# Altium PCB RK_NVR_DEMO1_RK3588_LP4XD200P232SD8_V21_20211228_final_lint.PcbDoc (part 23 of 29)
Units mm, origin at the board's own origin, x right, y up, seen from the top; angles counter-clockwise.
Board outline 170.08 x 169.98 mm, 8 copper layers (TOP, L2-GND1, L3-POWER1, L4-S1, L5-GND2, L6-S2, L7-GND3, BOTTOM), stack 2.118 mm thick; 1650 components, 1119 nets, 6165 pads, 15417 vias.
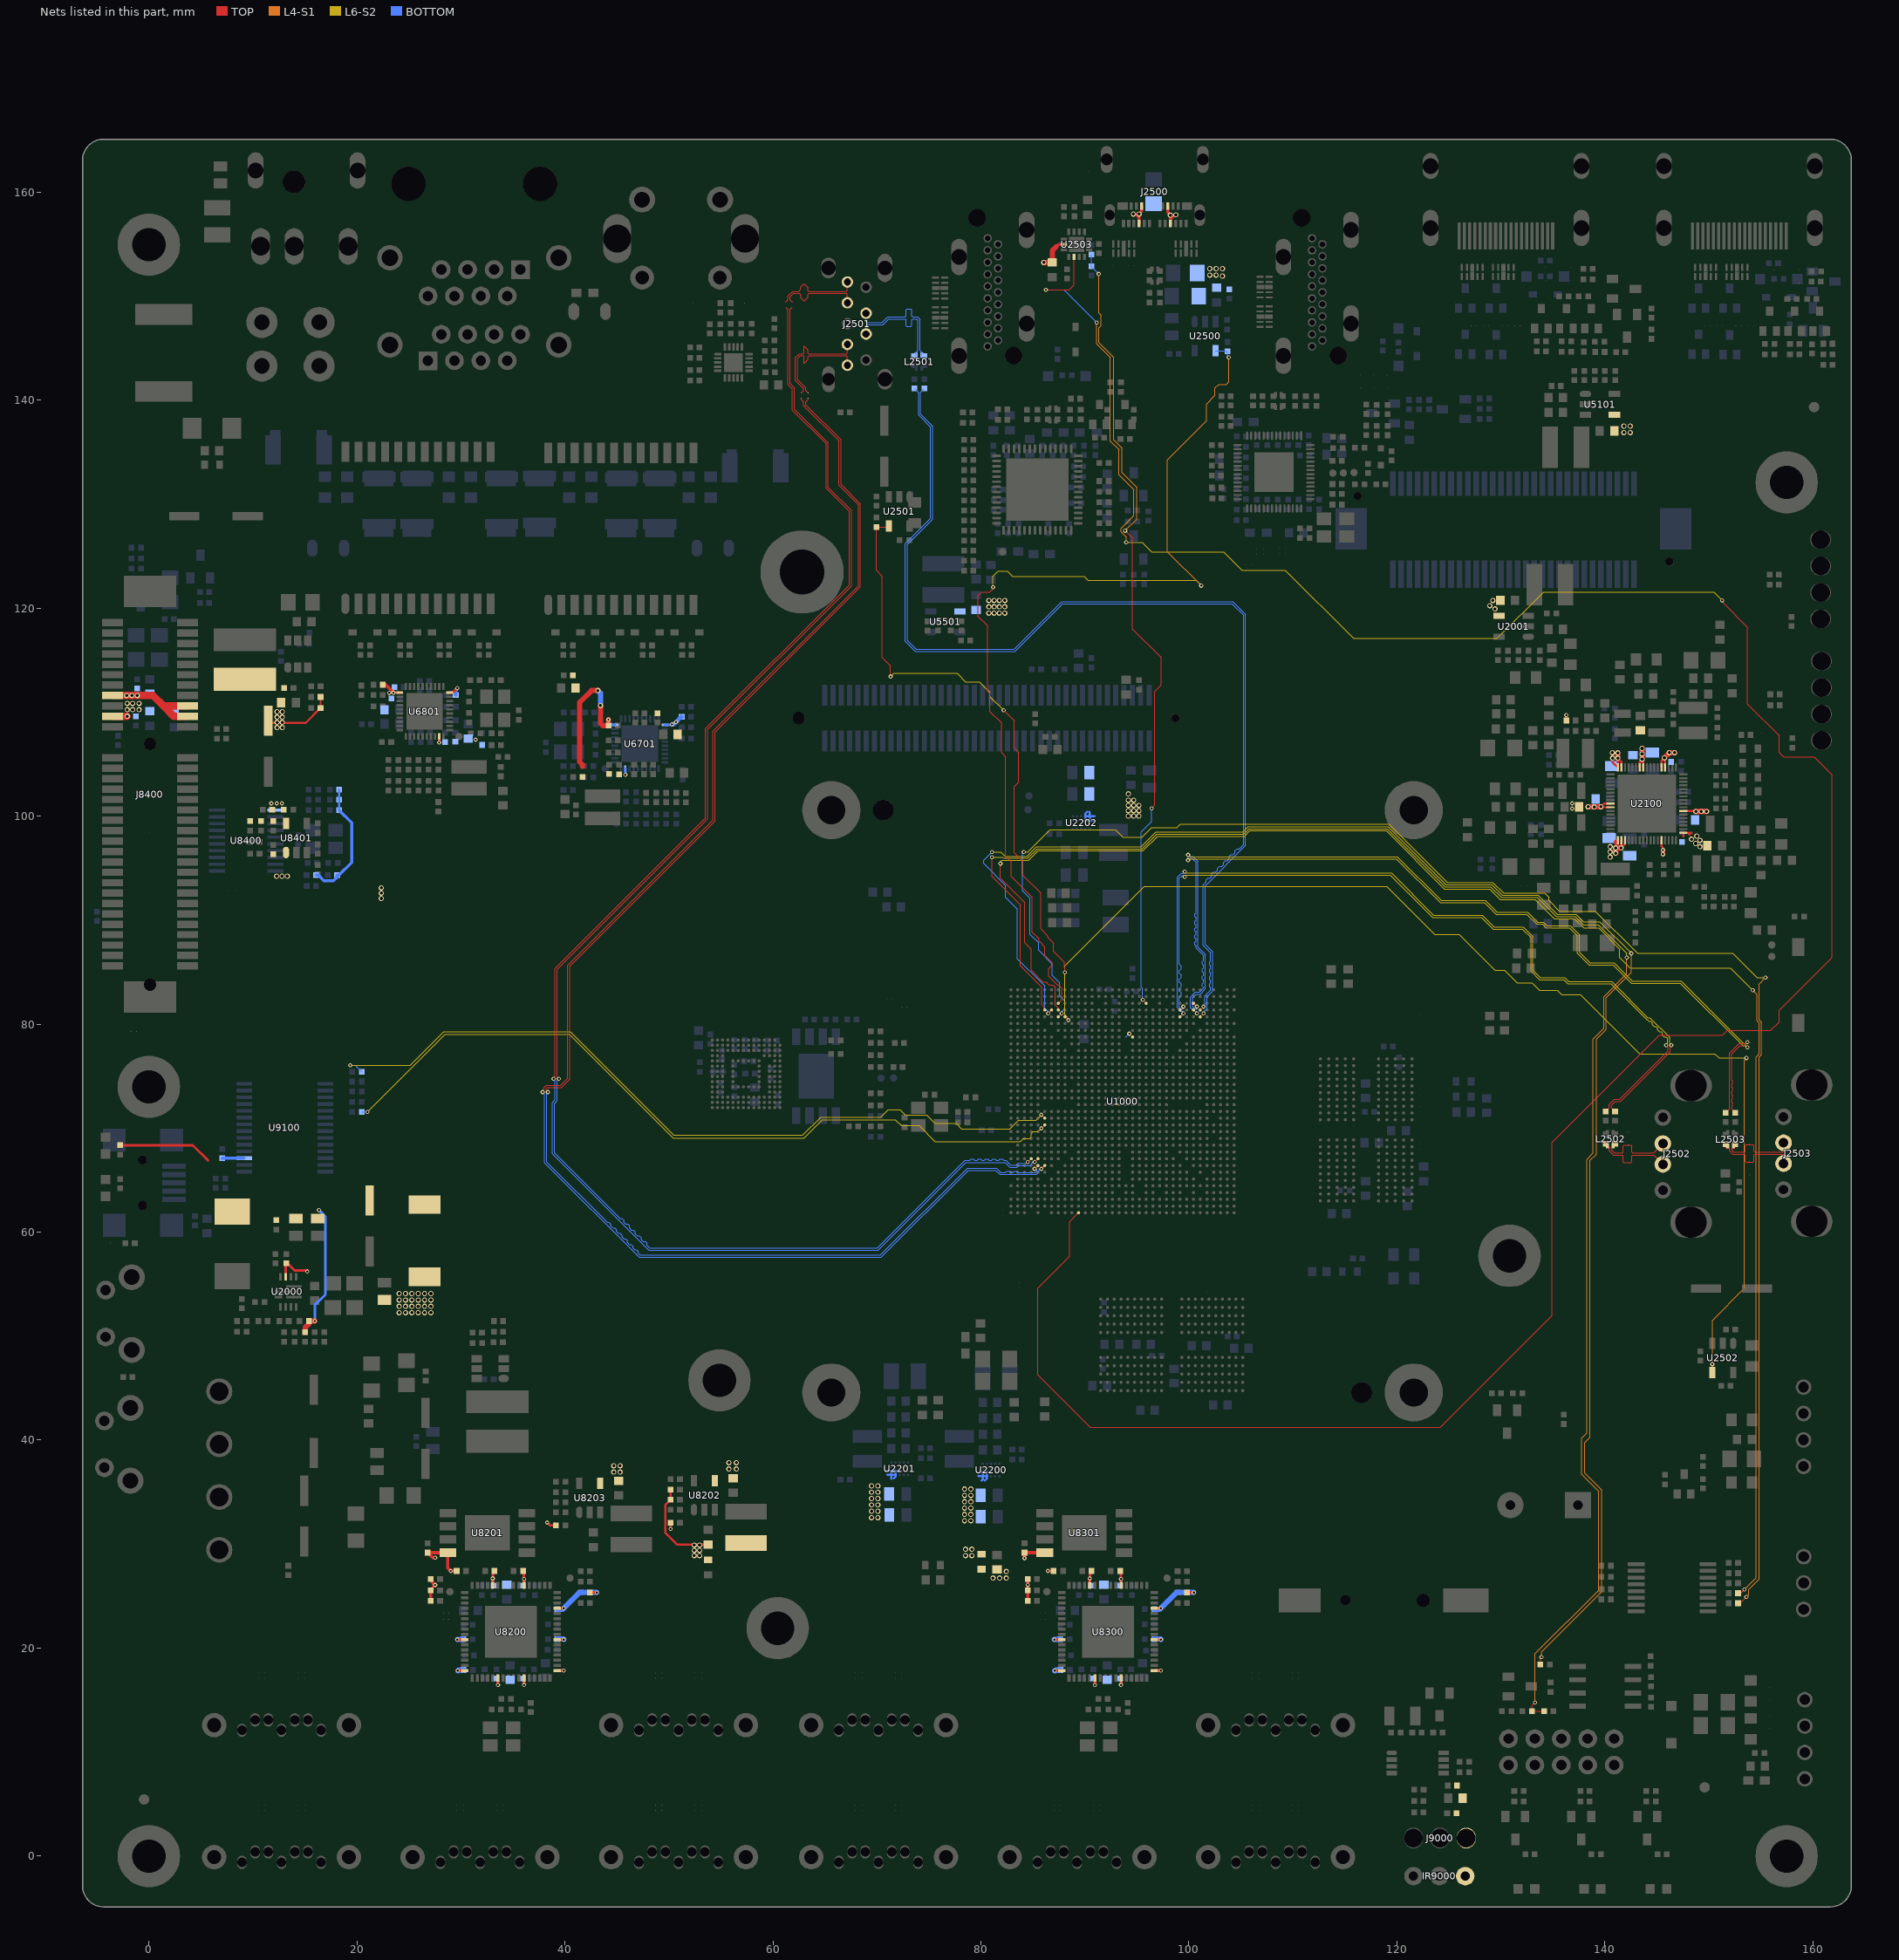
[diagram p29: the nets of this part, all layers, seen from the top]

## Via types
v1: diameter 0.4, hole 0.2, TOP to BOTTOM, 1688 vias
v2: diameter 0.4/0.4 (per signal layer), hole 0.2, TOP to L2-GND1, 1605 vias
v3: diameter 0/0/0/0/0/0/0/0.4 (per signal layer), hole 0.2, TOP to BOTTOM, 1253 vias
v4: diameter 0.4/0/0/0/0/0/0/0 (per signal layer), hole 0.2, TOP to BOTTOM, 1253 vias
v5: diameter 0.5, hole 0.3, TOP to BOTTOM, 857 vias
v6: diameter 0.4/0.4/0.4/0.4/0.4 (per signal layer), hole 0.2, L4-S1 to BOTTOM, 836 vias
v7: diameter 0/0/0/0/0/0/0/0.5 (per signal layer), hole 0.3, TOP to BOTTOM, 772 vias
v8: diameter 0.5/0/0/0/0/0/0/0 (per signal layer), hole 0.3, TOP to BOTTOM, 772 vias
v9: diameter 0.5/0.5 (per signal layer), hole 0.3, TOP to L2-GND1, 766 vias
v10: diameter 0.4/0.4 (per signal layer), hole 0.2, L7-GND3 to BOTTOM, 611 vias
v11: diameter 0.4/0.4/0.4/0.4 (per signal layer), hole 0.2, L5-GND2 to BOTTOM, 579 vias
v12: diameter 0.4 (per signal layer), hole 0.2, L6-S2 to L6-S2, 535 vias
v13: diameter 0.5/0.5/0.5/0.5/0.5 (per signal layer), hole 0.3, L4-S1 to BOTTOM, 457 vias
v14: diameter 0.5/0.5/0.5/0.5 (per signal layer), hole 0.3, L5-GND2 to BOTTOM, 455 vias
v15: diameter 0.4 (per signal layer), hole 0.2, L5-GND2 to L5-GND2, 418 vias
v16: diameter 0.5/0.5/0.5 (per signal layer), hole 0.3, TOP to L3-POWER1, 306 vias
v17: diameter 0.4 (per signal layer), hole 0.2, L4-S1 to L4-S1, 300 vias
v18: diameter 0.4/0.4/0.4 (per signal layer), hole 0.2, TOP to L3-POWER1, 287 vias
v19: diameter 0.5 (per signal layer), hole 0.3, L3-POWER1 to L3-POWER1, 242 vias
v20: diameter 0.5 (per signal layer), hole 0.3, L4-S1 to L4-S1, 240 vias
v21: diameter 0.5/0.5 (per signal layer), hole 0.3, L7-GND3 to BOTTOM, 192 vias
v22: diameter 0.5 (per signal layer), hole 0.3, L6-S2 to L6-S2, 166 vias
v23: diameter 0.4/0.4/0.4/0.4/0.4 (per signal layer), hole 0.2, TOP to L5-GND2, 134 vias
v24: diameter 0.5 (per signal layer), hole 0.3, L5-GND2 to L5-GND2, 114 vias
v25: diameter 0.5/0.5 (per signal layer), hole 0.3, L3-POWER1 to L4-S1, 111 vias
v26: diameter 0.4 (per signal layer), hole 0.2, L3-POWER1 to L3-POWER1, 93 vias
v27: diameter 0.4/0.4 (per signal layer), hole 0.2, L4-S1 to L5-GND2, 59 vias
v28: diameter 0.4/0.4/0/0/0.4/0/0.4/0.4 (per signal layer), hole 0.2, TOP to BOTTOM, 56 vias
v29: diameter 0.4/0/0/0.4/0/0/0/0.4 (per signal layer), hole 0.2, TOP to BOTTOM, 51 vias
v30: diameter 0.5/0.5 (per signal layer), hole 0.3, L4-S1 to L5-GND2, 46 vias
v31: diameter 0.4/0/0/0/0/0.4/0/0.4 (per signal layer), hole 0.2, TOP to BOTTOM, 42 vias
v32: diameter 0.5/0.5/0.5/0.5/0.5 (per signal layer), hole 0.3, TOP to L5-GND2, 32 vias
v33: diameter 0.4/0.4 (per signal layer), hole 0.2, L3-POWER1 to L4-S1, 29 vias
v34: diameter 0.4/0/0.4/0/0/0/0/0.4 (per signal layer), hole 0.2, TOP to BOTTOM, 29 vias
v35: diameter 0.4/0.4/0/0/0.4/0.4/0.4/0.4 (per signal layer), hole 0.2, TOP to BOTTOM, 21 vias
v36: diameter 0.5/0.5/0.5/0/0.5/0.5/0.5/0.5 (per signal layer), hole 0.3, TOP to BOTTOM, 4 vias
v37: diameter 0.5/0.5/0/0.5/0.5/0.5/0.5/0.5 (per signal layer), hole 0.3, TOP to BOTTOM, 3 vias
v38: diameter 0.4/0/0.4/0.4/0/0/0/0.4 (per signal layer), hole 0.2, TOP to BOTTOM, 2 vias
v39: diameter 0.4/0.4/0.4/0/0.4/0/0.4/0.4 (per signal layer), hole 0.2, TOP to BOTTOM, 1 vias

## Nets (pads, with @x,y where several pads share a name; then routed paths per layer and width w, separated by ;. In a path a pad name is that pad's centre, name@x,y a point inside that pad or via, vN(x,y) a via of type N, cw(c..) or ccw(c..) an arc to the next point about the centre after c; other vN are vias at no path point) (continued)
TYPEC0_USB20_VBUSDET: R2500.1 R2501.1 U1000.AM14 | length 76.9
  TOP w0.102: v4(93.87,127.445) 94.581,126.734 94.581,117.996 97.324,115.253 97.324,112.611 96.715,112.002 96.715,101.029 96.435,100.749 v4(96.41,100.749) ; v4(95.566,82.331) U1000.AM14@95.891,82.006
  L4-S1 w0.102: v4(91.33,152.134) 91.33,148.374 91.533,148.171 91.533,147.155 91.33,146.952 91.33,145.53 92.752,144.107 92.752,136.182 93.565,135.37 93.565,133.033 94.987,131.61 94.987,128.562 v4(93.87,127.445)
  BOTTOM w0.102: R2500.1@90.619,154.02 R2501.1@90.619,152.888 90.619,152.845 v4(91.33,152.134) ; v4(95.566,82.331) 95.521,82.377 95.521,83.427 95.394,83.554 95.394,98.489 96.41,99.505 v4(96.41,100.749)
  other v3: 95.566,82.331 96.41,100.749 93.87,127.445 91.33,152.134
  other v17: 93.87,127.445 91.33,152.134
TYPEC1_REXT: R1405.1 U1000.AG16 | length 1
  TOP w0.102: v4(94.265,79.081) U1000.AG16@94.591,78.756
  BOTTOM w0.089: R1405.1@93.866,78.778 93.963,78.778 v4(94.265,79.081)
  other v3: 94.265,79.081
TYPEC1_USB20_HOST_DM: D2512.1 J2502.2 L2502.3 R2525.2 | length 7.5
  TOP w0.084: L2502.3@140.243,68.323 140.417,68.15 140.417,67.82 140.823,67.413 141.687,67.413 141.771,67.33 141.771,66.762 141.855,66.678 D2512.1@142.212,66.678 142.526,66.678 142.61,66.762 142.61,67.33 142.694,67.413 144.674,67.413 J2502.2@145.572,66.515
TYPEC1_USB20_HOST_DP: D2513.1 J2502.3 L2502.1 R2522.2 | length 7.2
  TOP w0.084: L2502.1@140.793,68.323 140.62,68.15 140.62,67.904 140.907,67.617 141.687,67.617 141.771,67.7 141.771,68.268 141.855,68.352 D2513.1@142.212,68.352 142.526,68.352 142.61,68.268 142.61,67.7 142.694,67.617 144.674,67.617 J2502.3@145.572,68.515
TYPEC1_USB20_OTG_DM: R2524.1 U1000.AL9 | length 80
  TOP w0.084: R2524.1@140.061,71.611 140.417,71.967 140.417,72.29 140.911,72.784 141.436,72.784 146.092,77.44 146.092,77.762 v4(145.889,77.966)
  TOP w0.102: U1000.AL9@99.141,81.356 v4(99.465,81.681)
  L6-S2 w0.076: v4(99.594,94.159) 99.594,94.225 99.685,94.316 119.379,94.316 123.435,90.259 128.126,90.259 129.244,89.142 132.071,89.142 132.884,88.329 132.884,85.095 133.714,84.265 136.051,84.265 136.432,83.884 140.56,83.884 144.014,80.429 144.069,80.429 144.231,80.267 144.4,80.267 144.562,80.106 144.562,79.937 144.723,79.775 144.892,79.775 145.054,79.614 145.054,79.444 145.215,79.283 145.385,79.283 145.546,79.121 145.546,78.952 145.708,78.791 145.877,78.791 146.038,78.629 146.038,78.115 v4(145.889,77.966)
  BOTTOM w0.084: v4(99.465,81.681) 99.465,81.541 99.382,81.457 99.263,81.457 99.077,81.643 99.077,82.574 99.255,82.752 99.255,83.003 99.077,83.181 99.077,83.432 99.255,83.61 99.255,83.862 99.077,84.039 99.077,84.291 99.255,84.469 99.255,84.72 99.077,84.898 99.077,85.149 99.255,85.327 99.255,85.579 99.077,85.756 99.077,94.036 99.337,94.297 99.456,94.297 v4(99.594,94.159)
  other v3: 145.889,77.966 99.465,81.681 99.594,94.159
  other v12: 145.889,77.966 99.594,94.159
TYPEC1_USB20_OTG_DP: R2523.1 U1000.AK9 | length 80
  TOP w0.084: R2523.1@140.976,71.611 140.62,71.967 140.62,72.206 140.995,72.581 141.521,72.581 146.295,77.355 146.295,77.87 v4(146.391,77.966)
  TOP w0.102: U1000.AK9@99.141,80.706 v4(99.465,81.031)
  L6-S2 w0.076: v4(99.594,94.661) 99.594,94.61 99.678,94.526 118.754,94.526 118.762,94.519 119.463,94.519 123.52,90.462 128.211,90.462 129.328,89.345 132.156,89.345 133.087,88.413 133.087,85.179 133.799,84.468 136.135,84.468 136.516,84.087 140.644,84.087 144.101,80.63 144.325,80.63 146.242,78.713 146.242,78.115 v4(146.391,77.966)
  BOTTOM w0.084: v4(99.465,81.031) 99.465,81.17 99.382,81.254 99.179,81.254 98.874,81.559 98.874,94.121 99.253,94.5 99.433,94.5 v4(99.594,94.661)
  other v3: 146.391,77.966 99.465,81.031 99.594,94.661
  other v12: 146.391,77.966 99.594,94.661
UART0_RX_M2: R9502.1 U1000.AL28 | length 160.1
  TOP w0.102: v4(86.466,81.031) U1000.AL28@86.791,81.356 ; R9502.1@133.795,18.421 133.795,19.034 v4(133.9,19.139)
  L4-S1 w0.102: v4(133.9,19.139) 133.9,19.647 139.691,25.438 139.691,35.192 138.066,36.818 138.066,39.764 138.574,40.272 138.574,66.891 139.183,67.501 139.183,78.575 140.098,79.49 140.098,82.538 142.536,84.976 v4(142.536,86.805)
  L6-S2 w0.102: v4(81.068,96.558) 81.906,96.558 82.313,96.152 84.421,96.152 85.335,97.066 95.428,97.066 96.851,98.489 105.182,98.489 105.69,98.997 119.134,98.997 124.722,93.409 129.125,93.409 130.141,92.393 133.595,92.393 135.439,90.549 137.233,90.549 137.93,89.853 139.488,89.853 v4(142.536,86.805)
  BOTTOM w0.089: 85.722,84.081 86.141,83.662 86.141,81.546 86.466,81.222 v4(86.466,81.031)
  BOTTOM w0.102: v4(81.068,96.558) 80.255,95.746 80.255,95.441 82.389,93.307 82.389,92.19 83.507,91.072 83.507,86.297 85.722,84.081
  other v3: 133.9,19.139 86.466,81.031 142.536,86.805 81.068,96.558
  other v12: 142.536,86.805 81.068,96.558
  other v17: 133.9,19.139 142.536,86.805
UART0_TX_M2: R9507.1 R9509.1 U1000.AL29 | length 163.2
  TOP w0.102: v4(81.068,96.05) 81.068,94.222 83.811,91.478 83.811,85.586 85.838,83.559 85.838,81.857 86.115,81.58 86.115,81.381 U1000.AL29@86.141,81.356 ; v4(133.291,14.77) 132.984,14.464 R9509.1@132.984,13.921 R9507.1@134.151,13.921
  L4-S1 w0.102: v4(133.291,14.77) 133.291,19.469 139.387,25.565 139.387,35.065 137.761,36.691 137.761,40.17 138.269,40.678 138.269,66.993 138.879,67.602 138.879,78.575 139.895,79.591 139.895,82.639 142.1,84.845 v4(142.1,86.398)
  L6-S2 w0.102: v4(81.068,96.05) 82.084,96.05 82.186,95.949 84.505,95.949 85.42,96.863 95.513,96.863 96.935,98.286 105.266,98.286 105.774,98.794 119.049,98.794 124.637,93.206 129.023,93.206 130.039,92.19 133.494,92.19 135.337,90.346 137.149,90.346 137.947,89.548 139.369,89.548 142.1,86.817 v4(142.1,86.398)
  other v3: 133.291,14.77 142.1,86.398 81.068,96.05
  other v12: 142.1,86.398 81.068,96.05
  other v17: 133.291,14.77 142.1,86.398
UART2_RX_M0_DEBUG: R9100.1 U1000.R29 | length 76.1
  TOP w0.102: v4(85.815,71.281) U1000.R29@86.141,70.956
  L6-S2 w0.089: 82.09,69.939 82.782,69.939 83.608,70.766 85.301,70.766 v4(85.815,71.281)
  L6-S2 w0.102: v4(19.355,76.035) 25.116,76.035 28.367,79.286 40.515,79.286 50.471,69.33 62.882,69.33 64.609,71.057 70.375,71.057 71.086,71.768 72.229,71.768 72.737,71.26 74.769,71.26 75.582,70.447 77.614,70.447 78.122,69.939 82.09,69.939
  BOTTOM w0.102: v4(19.355,76.035) 19.847,76.035 R9100.1@20.457,75.426
  other v3: 85.815,71.281 19.355,76.035
  other v12: 85.815,71.281 19.355,76.035
UART2_TX_M0_DEBUG: R9101.1 U1000.P29 | length 75.4
  TOP w0.102: v4(85.816,69.981) U1000.P29@86.141,70.306
  L6-S2 w0.089: 82.09,68.72 83.811,68.72 84.098,69.006 84.707,69.006 84.84,69.14 84.84,69.47 85.026,69.656 85.49,69.656 v4(85.816,69.981)
  L6-S2 w0.102: v4(21.023,71.565) 28.477,79.02 40.414,79.02 50.409,69.025 62.983,69.025 64.758,70.8 71.775,70.8 72.331,70.244 74.058,70.244 75.582,68.72 82.09,68.72
  BOTTOM w0.102: R9101.1@20.454,71.565 v4(21.023,71.565)
  other v3: 85.816,69.981 21.023,71.565
  other v12: 85.816,69.981 21.023,71.565
UART3_RX_M2: R9513.2 U1000.AL27 | length 156.6
  TOP w0.102: v4(81.881,95.441) 81.881,94.018 84.218,91.682 84.218,87.821 84.827,87.211 84.827,85.179 85.945,84.062 86.25,84.062 86.555,83.757 86.935,83.757 87.138,83.554 87.138,81.852 87.441,81.55 U1000.AL27@87.441,81.356 ; R9513.2@152.805,25.277 153.043,25.277 v4(153.407,25.642)
  L4-S1 w0.102: v4(153.407,25.642) 154.525,26.759 154.525,76.848 154.83,77.153 154.83,80.099 154.627,80.302 154.627,82.842 v4(154.22,83.249)
  L6-S2 w0.102: v4(81.881,95.441) 81.881,95.644 81.983,95.746 84.59,95.746 85.504,96.66 95.597,96.66 97.019,98.082 105.351,98.082 105.859,98.59 118.965,98.59 124.553,93.002 128.922,93.002 129.938,91.986 133.291,91.986 135.134,90.143 137.064,90.143 137.964,89.243 139.387,89.243 141.419,87.211 141.419,86.398 142.435,85.382 152.087,85.382 v4(154.22,83.249)
  other v3: 153.407,25.642 154.22,83.249 81.881,95.441
  other v12: 154.22,83.249 81.881,95.441
  other v17: 153.407,25.642 154.22,83.249
UART3_TX_M2: R9514.2 U1000.AK27 | length 158.7
  TOP w0.089: U1000.AK27@87.441,80.706 v4(87.765,81.031)
  TOP w0.102: R9514.2@152.805,24.312 152.992,24.312 v4(153.611,24.93)
  L4-S1 w0.102: v4(153.611,24.93) 153.814,25.134 153.814,25.642 154.83,26.658 154.83,76.848 155.033,77.051 155.033,80.201 154.83,80.404 154.83,83.858 v4(155.439,84.468)
  L6-S2 w0.102: v4(84.116,96.558) 84.523,96.558 86.656,98.692 92.955,98.692 93.667,97.981 95.495,97.981 96.41,98.895 98.848,98.895 99.204,99.251 119.219,99.251 124.858,93.612 129.227,93.612 130.243,92.596 134.205,92.596 134.611,92.19 134.611,91.885 135.627,90.869 139.082,90.869 143.146,86.805 152.29,86.805 154.627,84.468 v4(155.439,84.468)
  BOTTOM w0.089: 87.45,84.081 87.571,83.96 87.571,82.741 88.09,82.222 88.09,81.533 87.765,81.208 v4(87.765,81.031)
  BOTTOM w0.102: v4(84.116,96.558) 84.015,96.457 84.015,92.799 84.726,92.088 84.726,88.634 85.539,87.821 85.539,87.11 86.859,85.789 86.859,84.671 87.45,84.081
  other v3: 153.611,24.93 87.765,81.031 155.439,84.468 84.116,96.558
  other v12: 155.439,84.468 84.116,96.558
  other v17: 153.611,24.93 155.439,84.468
USB20_HOST0_DM: R2520.1 U1000.AL6 | length 102.6
  TOP w0.102: U1000.AL6@101.091,81.356 v4(101.416,81.681)
  BOTTOM w0.084: R2520.1@73.601,141.117 74.007,140.711 74.007,138.57 75.175,137.402 75.175,128.647 72.737,126.208 72.737,116.794 73.669,115.862 83.303,115.862 87.875,120.434 104.131,120.434 105.249,119.317 105.249,97.27 104.827,96.847 104.726,96.847 104.624,96.848 104.446,96.67 104.446,96.569 104.447,96.467 104.269,96.289 104.167,96.289 104.066,96.29 103.888,96.112 103.888,96.01 ; v4(101.416,81.681) 101.541,81.805 101.541,82.704 102.099,83.263 102.099,83.491 101.98,83.611 101.98,83.839 102.099,83.959 102.099,84.187 101.98,84.307 101.98,84.535 102.099,84.655 102.099,84.883 101.98,85.003 101.98,85.231 102.099,85.351 102.099,85.579 101.98,85.699 101.98,85.927 102.099,86.047 102.099,86.85 101.363,87.587 101.363,93.383 101.655,93.676 101.655,93.777 101.655,93.878 101.833,94.056 101.934,94.056 102.035,94.056 102.213,94.234 102.213,94.335 ; 102.213,94.336 102.213,94.437 102.391,94.615 102.492,94.615 ; 102.493,94.614 102.594,94.614 102.772,94.792 102.772,94.893 102.771,94.995 102.949,95.173 103.05,95.173 103.152,95.173 103.33,95.351 103.33,95.452 103.329,95.553 103.508,95.731 103.609,95.731 ; 103.609,95.731 103.71,95.731 103.888,95.909 103.888,96.01
  other v3: 101.416,81.681
USB20_HOST0_DP: R2519.1 U1000.AK6 | length 102.2
  TOP w0.102: U1000.AK6@101.091,80.706 v4(101.416,81.031)
  BOTTOM w0.084: R2519.1@74.566,141.117 74.21,140.761 74.21,138.654 75.379,137.486 75.379,128.562 72.94,126.124 72.94,116.878 73.753,116.066 83.219,116.066 87.791,120.638 104.216,120.638 105.452,119.401 105.452,97.185 101.566,93.299 101.566,87.671 102.303,86.935 102.303,83.178 101.744,82.62 101.744,81.498 101.416,81.17 v4(101.416,81.031)
  other v3: 101.416,81.031
USB20_HOST0DM: D2511.1 J2501.2 L2501.3 R2521.2 | length 10.8
  BOTTOM w0.084: J2501.2@68.963,146.358 68.963,147.173 69.047,147.257 70.586,147.257 71.145,147.816 72.743,147.816 72.827,147.732 72.827,147.163 72.911,147.079 D2511.1@73.265,147.079 73.349,147.163 73.349,147.732 73.432,147.816 73.821,147.816 73.956,147.68 73.956,144.767 73.783,144.594 L2501.3@73.783,144.326
USB20_HOST0DP: D2510.1 J2501.3 L2501.1 R2518.2 | length 11.2
  BOTTOM w0.084: J2501.3@68.963,148.358 68.963,147.544 69.047,147.46 70.502,147.46 71.061,148.019 72.743,148.019 72.827,148.103 72.827,148.672 72.911,148.755 D2510.1@73.225,148.755 73.265,148.755 73.349,148.672 73.349,148.103 73.432,148.019 73.905,148.019 74.159,147.765 74.159,144.767 74.333,144.594 L2501.1@74.333,144.326
USB20_HOST1_DM: R2530.1 U1000.AM7 | length 87.8
  TOP w0.084: R2530.1@151.618,71.484 151.974,71.84 151.974,77.226 152.891,78.143 153.603,78.143 153.712,78.253 v4(153.712,78.264)
  TOP w0.102: U1000.AM7@100.44,82.006 v4(100.765,81.681)
  L6-S2 w0.076: v4(99.924,96.268) 100.091,96.101 120.032,96.101 124.248,91.885 128.515,91.885 129.633,90.767 132.587,90.767 133.54,89.815 134.086,89.815 134.431,89.47 136.658,89.47 137.558,88.57 137.558,86.889 138.556,85.89 140.889,85.89 142.641,84.138 147.337,84.138 153.359,78.115 153.563,78.115 v4(153.712,78.264)
  BOTTOM w0.084: v4(99.924,96.268) 100.04,96.152 100.372,96.152 100.88,95.644 100.88,87.412 101.591,86.701 101.591,83.368 101.104,82.88 100.715,82.88 100.347,82.512 100.347,81.673 100.563,81.457 100.682,81.457 100.765,81.541 v4(100.765,81.681)
  other v3: 153.712,78.264 100.765,81.681 99.924,96.268
  other v12: 153.712,78.264 99.924,96.268
USB20_HOST1_DP: R2528.1 U1000.AL7 | length 88.6
  TOP w0.084: R2528.1@152.533,71.484 152.177,71.84 152.177,72.069 152.296,72.188 152.296,72.417 152.177,72.536 152.177,72.765 152.296,72.884 152.296,73.113 152.177,73.232 152.177,73.461 152.296,73.58 152.296,73.809 152.177,73.928 152.177,74.157 152.296,74.276 152.296,74.505 152.177,74.624 152.177,77.142 152.976,77.94 153.535,77.94 v4(153.712,77.763)
  TOP w0.102: U1000.AL7@100.44,81.356 v4(100.765,81.031)
  L6-S2 w0.076: v4(99.924,95.767) 100.055,95.898 119.947,95.898 124.164,91.682 128.431,91.682 129.549,90.564 132.503,90.564 133.456,89.611 134.002,89.611 134.347,89.267 136.574,89.267 137.355,88.486 137.355,86.805 138.472,85.687 140.804,85.687 142.557,83.935 147.252,83.935 153.275,77.912 153.563,77.912 v4(153.712,77.763)
  BOTTOM w0.084: v4(99.924,95.767) 100.106,95.949 100.288,95.949 100.677,95.56 100.677,90.667 100.633,90.623 100.589,90.579 100.589,90.327 100.633,90.284 100.677,90.24 100.677,89.988 100.633,89.944 100.589,89.9 100.589,89.649 100.633,89.605 100.677,89.561 100.677,89.309 100.633,89.266 100.589,89.222 100.589,88.97 100.633,88.926 100.677,88.882 100.677,88.631 100.633,88.587 100.589,88.543 100.589,88.291 100.633,88.247 100.677,88.204 100.677,87.952 100.633,87.908 100.589,87.864 100.589,87.613 100.633,87.569 100.677,87.525 100.677,87.327 101.388,86.616 101.388,86.109 101.287,86.007 101.287,85.756 101.388,85.654 101.388,85.403 101.287,85.301 101.287,85.05 101.388,84.948 101.388,84.697 101.287,84.595 101.287,84.343 101.388,84.242 101.388,83.99 101.287,83.889 101.287,83.637 101.388,83.536 101.388,83.452 101.02,83.084 100.631,83.084 100.144,82.596 100.144,81.589 100.479,81.254 100.682,81.254 100.765,81.17 v4(100.765,81.031)
  other v3: 153.712,77.763 100.765,81.031 99.924,95.767
  other v12: 153.712,77.763 99.924,95.767
USB20_HOST1DM: D2514.1 J2503.2 L2503.3 R2531.2 | length 8.4
  TOP w0.084: R2531.2@151.618,68.473 151.618,68.181 151.702,68.097 151.89,68.097 151.974,68.013 151.974,67.81 152.294,67.49 153.397,67.49 153.481,67.406 153.481,66.838 153.564,66.755 D2514.1@153.921,66.755 154.235,66.755 154.319,66.838 154.319,67.406 154.403,67.49 157.096,67.49 157.18,67.406 J2503.2@157.18,66.591
USB20_HOST1DP: D2515.1 J2503.3 L2503.1 R2527.2 | length 8
  TOP w0.084: R2527.2@152.533,68.473 152.533,68.181 152.449,68.097 152.261,68.097 152.177,68.013 152.177,67.894 152.379,67.693 153.397,67.693 153.481,67.777 153.481,68.344 153.564,68.428 D2515.1@153.921,68.428 154.235,68.428 154.319,68.344 154.319,67.777 154.403,67.693 157.096,67.693 157.18,67.777 J2503.3@157.18,68.591

## Text inside footprints (layer, text, board x,y; h text height)
R2526: PIN_NUMBER "2" at 154.017,49.095 h0.25 r90; PIN_NUMBER "1" at 154.017,47.095 h0.25 r90; ASSEMBLY_TOP "0R" at 154.042,48.095 h0.25 r90
R2527: PIN_NUMBER "2" at 152.431,68.473 h0.25 r270; PIN_NUMBER "1" at 152.431,69.373 h0.25 r270; ASSEMBLY_TOP "0R" at 152.456,68.923 h0.25 r90
R2528: PIN_NUMBER "1" at 152.431,71.484 h0.25 r270; PIN_NUMBER "2" at 152.431,70.584 h0.25 r270; ASSEMBLY_TOP "2.2R" at 152.253,71.034 h0.25 r90
R2529: PIN_NUMBER "2" at 151.535,50.635 h0.25 r180; PIN_NUMBER "1" at 152.435,50.635 h0.25 r180; ASSEMBLY_TOP "10K" at 151.782,50.508 h0.25
R2530: PIN_NUMBER "1" at 151.517,71.484 h0.25 r270; PIN_NUMBER "2" at 151.517,70.584 h0.25 r270; ASSEMBLY_TOP "2.2R" at 151.339,71.034 h0.25 r90
R2531: PIN_NUMBER "2" at 151.517,68.473 h0.25 r270; PIN_NUMBER "1" at 151.517,69.373 h0.25 r270; ASSEMBLY_TOP "0R" at 151.542,68.923 h0.25 r90
R2532: PIN_NUMBER "2" at 149.089,47.645 h0.25 r270; PIN_NUMBER "1" at 149.089,48.545 h0.25 r270; ASSEMBLY_TOP "4.7K" at 148.912,48.095 h0.25 r90
R2533: PIN_NUMBER "2" at 92.295,147.507 h0.64; PIN_NUMBER "1" at 92.295,147.007 h0.64 r180; ASSEMBLY_TOP "100K" at 92.27,147.257 h0.25 r270
R2534: PIN_NUMBER "2" at 91.584,147.507 h0.64; PIN_NUMBER "1" at 91.584,147.007 h0.64 r180; ASSEMBLY_TOP "100K" at 91.559,147.257 h0.25 r270
R2535: PIN_NUMBER "2" at 91.13,148.171 h0.64 r270; PIN_NUMBER "1" at 91.631,148.171 h0.64 r90; ASSEMBLY_TOP "2M" at 91.431,148.044 h0.25
R2536: PIN_NUMBER "2" at 92.85,148.171 h0.64 r90; PIN_NUMBER "1" at 92.35,148.171 h0.64 r270; ASSEMBLY_TOP "2M" at 92.651,148.044 h0.25
R2537: PIN_NUMBER "2" at 94.53,152.943 h0.64 r180; PIN_NUMBER "1" at 94.53,152.442 h0.64; ASSEMBLY_TOP "0R" at 94.708,152.692 h0.25 r90
R2538: PIN_NUMBER "2" at 93.895,152.943 h0.64 r180; PIN_NUMBER "1" at 93.895,152.442 h0.64; ASSEMBLY_TOP "0R" at 94.073,152.692 h0.25 r90
R2539: PIN_NUMBER "1" at 98.233,150 h0.25; PIN_NUMBER "2" at 100.833,150 h0.25; ASSEMBLY_TOP "0R" at 99.436,149.873 h0.25 r180
R3800: PIN_NUMBER "1" at 125.59,74.482 h0.25; PIN_NUMBER "2" at 127.039,74.482 h0.25; ASSEMBLY_TOP "0R" at 126.213,74.355 h0.25 r180
R3801: PIN_NUMBER "1" at 114.825,70.273 h0.64 r180; PIN_NUMBER "2" at 114.825,70.774 h0.64; ASSEMBLY_TOP "49.9R" at 114.698,70.523 h0.25 r270
R3802: PIN_NUMBER "1" at 115.587,70.273 h0.64 r180; PIN_NUMBER "2" at 115.587,70.774 h0.64; ASSEMBLY_TOP "49.9R" at 115.46,70.523 h0.25 r270
R3803: PIN_NUMBER "1" at 125.59,73.009 h0.25; PIN_NUMBER "2" at 127.039,73.009 h0.25; ASSEMBLY_TOP "0R" at 126.213,72.882 h0.25 r180
R3804: PIN_NUMBER "1" at 113.686,69.025 h0.64 r90; PIN_NUMBER "2" at 114.186,69.025 h0.64 r270; ASSEMBLY_TOP "49.9R" at 113.682,68.898 h0.25 r180
R3805: PIN_NUMBER "1" at 115.083,69.025 h0.64 r90; PIN_NUMBER "2" at 115.583,69.025 h0.64 r270; ASSEMBLY_TOP "49.9R" at 115.079,68.898 h0.25 r180
R3806: PIN_NUMBER "2" at 112.408,72.454 h0.64 r270; PIN_NUMBER "1" at 111.908,72.454 h0.64 r90; ASSEMBLY_TOP "10K" at 112.107,72.327 h0.25 r180
R3807: PIN_NUMBER "1" at 112.421,67.374 h0.64 r270; PIN_NUMBER "2" at 111.92,67.374 h0.64 r90; ASSEMBLY_TOP "10K" at 112.12,67.247 h0.25 r180
R3808: PIN_NUMBER "2" at 119.565,55.563 h0.25 r180; PIN_NUMBER "1" at 121.565,55.563 h0.25 r180; ASSEMBLY_TOP "0R" at 120.464,55.436 h0.25 r180
R3809: PIN_NUMBER "2" at 116.476,77.022 h0.64; PIN_NUMBER "1" at 116.476,76.522 h0.64 r180; ASSEMBLY_TOP "240R" at 116.45,76.772 h0.25 r270
R3810: PIN_NUMBER "2" at 117.238,77.022 h0.64; PIN_NUMBER "1" at 117.238,76.522 h0.64 r180; ASSEMBLY_TOP "240R" at 117.212,76.772 h0.25 r270
R3811: PIN_NUMBER "1" at 121.565,57.849 h0.25 r180; PIN_NUMBER "2" at 119.565,57.849 h0.25 r180; ASSEMBLY_TOP "0R" at 120.464,57.722 h0.25 r180
R3812: PIN_NUMBER "1" at 98.823,51.241 h0.64; PIN_NUMBER "2" at 98.823,50.741 h0.64 r180; ASSEMBLY_TOP "49.9R" at 98.696,50.991 h0.25 r270
R3813: PIN_NUMBER "1" at 98.823,49.598 h0.64 r180; PIN_NUMBER "2" at 98.823,50.098 h0.64; ASSEMBLY_TOP "49.9R" at 98.696,49.848 h0.25 r270
R3814: PIN_NUMBER "1" at 96.18,52.946 h0.64 r315; PIN_NUMBER "2" at 95.826,52.592 h0.64 r135; ASSEMBLY_TOP "49.9R" at 95.749,52.642 h0.25 r180
R3815: PIN_NUMBER "1" at 97.197,51.749 h0.64; PIN_NUMBER "2" at 97.197,51.249 h0.64 r180; ASSEMBLY_TOP "49.9R" at 97.07,51.499 h0.25 r270
R3816: PIN_NUMBER "2" at 100.88,53.56 h0.64 r180; PIN_NUMBER "1" at 100.88,54.06 h0.64; ASSEMBLY_TOP "10K" at 100.956,53.81 h0.25 r270
R3817: PIN_NUMBER "1" at 95.093,53.505 h0.64 r90; PIN_NUMBER "2" at 95.593,53.505 h0.64 r270; ASSEMBLY_TOP "10K" at 95.292,53.378 h0.25 r180
R3818: PIN_NUMBER "2" at 105.677,49.975 h0.64 r270; PIN_NUMBER "1" at 105.177,49.975 h0.64 r90; ASSEMBLY_TOP "240R" at 105.274,49.848 h0.25 r180
R3819: PIN_NUMBER "2" at 105.55,47.816 h0.64 r270; PIN_NUMBER "1" at 105.05,47.816 h0.64 r90; ASSEMBLY_TOP "240R" at 105.147,47.689 h0.25 r180
R4000: PIN_NUMBER "2" at 60.284,77.458 h0.25; PIN_NUMBER "1" at 59.384,77.458 h0.25; ASSEMBLY_TOP "10K" at 59.631,77.331 h0.25 r180
R4001: PIN_NUMBER "2" at 55.008,76.576 h0.25 r270; PIN_NUMBER "1" at 55.008,77.476 h0.25 r270; ASSEMBLY_TOP "10K" at 54.932,77.026 h0.25 r270
R4002: PIN_NUMBER "1" at 58.023,76.442 h0.25 r180; PIN_NUMBER "2" at 57.123,76.442 h0.25 r180; ASSEMBLY_TOP "10K" at 57.37,76.315 h0.25 r180
R4003: PIN_NUMBER "2" at 57.192,77.592 h0.25 r270; PIN_NUMBER "1" at 57.192,78.492 h0.25 r270; ASSEMBLY_TOP "0R" at 57.218,78.042 h0.25 r270
R4004: PIN_NUMBER "2" at 58.208,78.492 h0.25 r90; PIN_NUMBER "1" at 58.208,77.592 h0.25 r90; ASSEMBLY_TOP "47K" at 58.132,78.042 h0.25 r270
R4300: PIN_NUMBER "1" at 60.367,73.158 h0.25 r270; PIN_NUMBER "2" at 60.367,72.258 h0.25 r270; ASSEMBLY_TOP "10K" at 60.291,72.708 h0.25 r270
R4301: PIN_NUMBER "1" at 62.965,80.455 h0.25; PIN_NUMBER "2" at 63.865,80.455 h0.25; ASSEMBLY_TOP "10K" at 63.212,80.328 h0.25 r180
R4734: PIN_NUMBER "2" at 85.684,114.135 h0.25; PIN_NUMBER "1" at 84.784,114.135 h0.25; ASSEMBLY_TOP "100R" at 84.929,114.008 h0.25 r180
R4735: PIN_NUMBER "1" at 85.132,108.91 h0.25 r90; PIN_NUMBER "2" at 85.132,109.81 h0.25 r90; ASSEMBLY_TOP "100R" at 84.954,109.36 h0.25 r90
R4736: PIN_NUMBER "2" at 87.919,114.135 h0.25; PIN_NUMBER "1" at 87.019,114.135 h0.25; ASSEMBLY_TOP "100R" at 87.164,114.008 h0.25 r180
R5000: PIN_NUMBER "2" at 157.675,148.215 h0.25 r90; PIN_NUMBER "1" at 157.675,147.315 h0.25 r90; ASSEMBLY_TOP "10K" at 157.598,147.765 h0.25 r270
R5001: PIN_NUMBER "2" at 157.439,149.727 h0.25 r180; PIN_NUMBER "1" at 158.34,149.727 h0.25 r180; ASSEMBLY_TOP "1.8K" at 157.585,149.6 h0.25
R5002: PIN_NUMBER "1" at 157.693,145.422 h0.25; PIN_NUMBER "2" at 158.594,145.422 h0.25; ASSEMBLY_TOP "10K" at 157.94,145.295 h0.25
R5003: PIN_NUMBER "2" at 158.594,144.393 h0.25; PIN_NUMBER "1" at 157.693,144.393 h0.25; ASSEMBLY_TOP "22R" at 157.94,144.266 h0.25
R5004: PIN_NUMBER "2" at 159.779,152.362 h0.25 r180; PIN_NUMBER "1" at 160.679,152.362 h0.25 r180; ASSEMBLY_TOP "1.2K" at 159.924,152.235 h0.25
R5005: PIN_NUMBER "1" at 161.782,145.428 h0.25 r180; PIN_NUMBER "2" at 160.882,145.428 h0.25 r180; ASSEMBLY_TOP "47K" at 161.129,145.555 h0.25
R5006: PIN_NUMBER "1" at 160.882,144.412 h0.25; PIN_NUMBER "2" at 161.782,144.412 h0.25; ASSEMBLY_TOP "10K" at 161.129,144.285 h0.25
R5007: PIN_NUMBER "2" at 160.238,149.727 h0.25; PIN_NUMBER "1" at 159.338,149.727 h0.25; ASSEMBLY_TOP "1.8K" at 159.483,149.6 h0.25
R5008: PIN_NUMBER "1" at 160.882,143.396 h0.25; PIN_NUMBER "2" at 161.782,143.396 h0.25; ASSEMBLY_TOP "22R" at 161.129,143.269 h0.25
R5009: PIN_NUMBER "1" at 155.289,145.409 h0.25; PIN_NUMBER "2" at 156.189,145.409 h0.25; ASSEMBLY_TOP "27K" at 155.536,145.282 h0.25
R5010: PIN_NUMBER "1" at 156.169,151.65 h0.25; PIN_NUMBER "2" at 157.069,151.65 h0.25; ASSEMBLY_TOP "0R" at 156.517,151.523 h0.25 r180
R5011: PIN_NUMBER "2" at 156.194,144.412 h0.25; PIN_NUMBER "1" at 155.294,144.412 h0.25; ASSEMBLY_TOP "22R" at 155.541,144.285 h0.25
R5012: PIN_NUMBER "1" at 135.748,145.676 h0.25; PIN_NUMBER "2" at 136.648,145.676 h0.25; ASSEMBLY_TOP "10K" at 135.995,145.549 h0.25
R5013: PIN_NUMBER "1" at 136.394,149.981 h0.25 r180; PIN_NUMBER "2" at 135.494,149.981 h0.25 r180; ASSEMBLY_TOP "1.8K" at 135.639,149.854 h0.25
R5014: PIN_NUMBER "2" at 144.365,145.892 h0.25 r270; PIN_NUMBER "1" at 144.365,146.792 h0.25 r270; ASSEMBLY_TOP "10K" at 144.289,146.342 h0.25 r90
R5015: PIN_NUMBER "2" at 136.648,144.647 h0.25; PIN_NUMBER "1" at 135.748,144.647 h0.25; ASSEMBLY_TOP "22R" at 135.995,144.52 h0.25
R5016: PIN_NUMBER "2" at 137.833,152.616 h0.25 r180; PIN_NUMBER "1" at 138.733,152.616 h0.25 r180; ASSEMBLY_TOP "1.2K" at 137.978,152.489 h0.25
R5017: PIN_NUMBER "1" at 144.365,147.924 h0.25 r90; PIN_NUMBER "2" at 144.365,148.824 h0.25 r90; ASSEMBLY_TOP "47K" at 144.035,148.374 h0.25 r270
R5018: PIN_NUMBER "1" at 138.966,144.634 h0.25; PIN_NUMBER "2" at 139.867,144.634 h0.25; ASSEMBLY_TOP "10K" at 139.213,144.507 h0.25
R5019: PIN_NUMBER "1" at 137.392,149.981 h0.25; PIN_NUMBER "2" at 138.292,149.981 h0.25; ASSEMBLY_TOP "1.8K" at 137.537,149.854 h0.25
R5020: PIN_NUMBER "2" at 140.968,144.615 h0.25 r180; PIN_NUMBER "1" at 141.869,144.615 h0.25 r180; ASSEMBLY_TOP "22R" at 141.215,144.488 h0.25
R5021: PIN_NUMBER "1" at 133.344,145.663 h0.25; PIN_NUMBER "2" at 134.244,145.663 h0.25; ASSEMBLY_TOP "27K" at 133.591,145.536 h0.25
R5022: PIN_NUMBER "1" at 133.715,151.904 h0.25; PIN_NUMBER "2" at 134.615,151.904 h0.25; ASSEMBLY_TOP "0R" at 134.064,151.777 h0.25 r180
R5023: PIN_NUMBER "2" at 134.244,144.688 h0.25; PIN_NUMBER "1" at 133.344,144.688 h0.25; ASSEMBLY_TOP "22R" at 133.591,144.561 h0.25
R5025: PIN_NUMBER "1" at 159.808,144.47 h0.25 r90; PIN_NUMBER "2" at 159.808,145.37 h0.25 r90; ASSEMBLY_TOP "1K" at 159.834,144.92 h0.25 r90
R5026: PIN_NUMBER "1" at 137.863,144.673 h0.25 r90; PIN_NUMBER "2" at 137.863,145.573 h0.25 r90; ASSEMBLY_TOP "1K" at 137.888,145.123 h0.25 r90
R5027: PIN_NUMBER "2" at 159.764,151.422 h0.25 r180; PIN_NUMBER "1" at 160.665,151.422 h0.25 r180; ASSEMBLY_TOP "47K" at 162.094,151.549 h0.25 r180
R5028: PIN_NUMBER "2" at 137.819,151.626 h0.25 r180; PIN_NUMBER "1" at 138.719,151.626 h0.25 r180; ASSEMBLY_TOP "47K" at 140.149,151.753 h0.25 r180
R5100: PIN_NUMBER "2" at 102.095,133.708 h0.25 r180; PIN_NUMBER "1" at 102.995,133.708 h0.25 r180; ASSEMBLY_TOP "12K" at 102.342,133.581 h0.25
R5101: PIN_NUMBER "1" at 102.095,132.743 h0.25; PIN_NUMBER "2" at 102.995,132.743 h0.25; ASSEMBLY_TOP "10K" at 102.342,132.616 h0.25
R5102: PIN_NUMBER "2" at 102.095,135.674 h0.25 r180; PIN_NUMBER "1" at 102.995,135.674 h0.25 r180; ASSEMBLY_TOP "22R" at 102.342,135.547 h0.25
R5103: PIN_NUMBER "1" at 103.909,137.533 h0.25 r180; PIN_NUMBER "2" at 103.009,137.533 h0.25 r180; ASSEMBLY_TOP "2.2R" at 103.154,137.406 h0.25
R5104: PIN_NUMBER "2" at 103.009,138.422 h0.25 r180; PIN_NUMBER "1" at 103.909,138.422 h0.25 r180; ASSEMBLY_TOP "2.2R" at 103.154,138.295 h0.25
R5105: PIN_NUMBER "2" at 103.009,139.489 h0.25 r180; PIN_NUMBER "1" at 103.909,139.489 h0.25 r180; ASSEMBLY_TOP "2.2R" at 103.154,139.362 h0.25
R5106: PIN_NUMBER "1" at 103.909,140.378 h0.25 r180; PIN_NUMBER "2" at 103.009,140.378 h0.25 r180; ASSEMBLY_TOP "2.2R" at 103.154,140.251 h0.25
R5107: PIN_NUMBER "2" at 102.095,134.673 h0.25 r180; PIN_NUMBER "1" at 102.995,134.673 h0.25 r180; ASSEMBLY_TOP "22R" at 102.342,134.546 h0.25
R5108: PIN_NUMBER "2" at 106.066,140.387 h0.25 r90; PIN_NUMBER "1" at 106.066,139.487 h0.25 r90; ASSEMBLY_TOP "2.2R" at 105.889,139.937 h0.25 r90
R5109: PIN_NUMBER "1" at 106.955,139.487 h0.25 r90; PIN_NUMBER "2" at 106.955,140.387 h0.25 r90; ASSEMBLY_TOP "2.2R" at 106.778,139.937 h0.25 r90
R5110: PIN_NUMBER "1" at 108.03,139.466 h0.25 r90; PIN_NUMBER "2" at 108.03,140.366 h0.25 r90; ASSEMBLY_TOP "2.2R" at 107.852,139.916 h0.25 r90
R5111: PIN_NUMBER "1" at 108.944,139.466 h0.25 r90; PIN_NUMBER "2" at 108.944,140.366 h0.25 r90; ASSEMBLY_TOP "2.2R" at 108.766,139.916 h0.25 r90
R5112: PIN_NUMBER "2" at 114.6,134.16 h0.25; PIN_NUMBER "1" at 113.7,134.16 h0.25; ASSEMBLY_TOP "22R" at 113.947,134.033 h0.25
R5113: PIN_NUMBER "2" at 110.126,140.366 h0.25 r90; PIN_NUMBER "1" at 110.126,139.466 h0.25 r90; ASSEMBLY_TOP "10.5K" at 109.846,139.916 h0.25 r90
R5114: PIN_NUMBER "2" at 116.773,135.42 h0.25; PIN_NUMBER "1" at 115.873,135.42 h0.25; ASSEMBLY_TOP "47K" at 116.12,135.293 h0.25
R5115: PIN_NUMBER "1" at 110.574,126.76 h0.25 r90; PIN_NUMBER "2" at 110.574,127.66 h0.25 r90; ASSEMBLY_TOP "0R" at 110.6,127.21 h0.25 r90
R5116: PIN_NUMBER "2" at 111.142,140.366 h0.25 r90; PIN_NUMBER "1" at 111.142,139.466 h0.25 r90; ASSEMBLY_TOP "10K" at 111.066,139.916 h0.25 r90
R5117: PIN_NUMBER "2" at 114.6,130.971 h0.25; PIN_NUMBER "1" at 113.7,130.971 h0.25; ASSEMBLY_TOP "10K" at 113.947,130.844 h0.25
R5118: PIN_NUMBER "2" at 114.676,135.39 h0.25; PIN_NUMBER "1" at 113.776,135.39 h0.25; ASSEMBLY_TOP "10K" at 114.023,135.263 h0.25
R5119: PIN_NUMBER "2" at 114.676,136.483 h0.25; PIN_NUMBER "1" at 113.776,136.483 h0.25; ASSEMBLY_TOP "10K" at 114.023,136.356 h0.25
R5120: PIN_NUMBER "2" at 120.055,144.644 h0.25 r270; PIN_NUMBER "1" at 120.055,145.544 h0.25 r270; ASSEMBLY_TOP "0R" at 120.081,145.094 h0.25 r270
R5121: PIN_NUMBER "1" at 116.773,131.915 h0.25 r180; PIN_NUMBER "2" at 115.873,131.915 h0.25 r180; ASSEMBLY_TOP "100K" at 116.019,131.788 h0.25
R5122: PIN_NUMBER "1" at 118.805,131.915 h0.25 r180; PIN_NUMBER "2" at 117.905,131.915 h0.25 r180; ASSEMBLY_TOP "0R" at 118.254,131.788 h0.25
R5123: PIN_NUMBER "1" at 117.974,139.553 h0.25 r270; PIN_NUMBER "2" at 117.974,138.653 h0.25 r270; ASSEMBLY_TOP "1.8K" at 117.797,139.103 h0.25 r90
R5124: PIN_NUMBER "1" at 117.974,136.621 h0.25 r90; PIN_NUMBER "2" at 117.974,137.521 h0.25 r90; ASSEMBLY_TOP "22R" at 117.898,137.071 h0.25 r90
R5125: PIN_NUMBER "1" at 118.99,139.553 h0.25 r270; PIN_NUMBER "2" at 118.99,138.653 h0.25 r270; ASSEMBLY_TOP "1.8K" at 118.813,139.103 h0.25 r90
R5126: PIN_NUMBER "2" at 122.043,140.018 h0.25 r90; PIN_NUMBER "1" at 122.043,139.118 h0.25 r90; ASSEMBLY_TOP "100K" at 121.865,139.568 h0.25 r270
R5127: PIN_NUMBER "1" at 118.99,136.621 h0.25 r90; PIN_NUMBER "2" at 118.99,137.521 h0.25 r90; ASSEMBLY_TOP "22R" at 118.914,137.071 h0.25 r90
R5128: PIN_NUMBER "2" at 123.008,139.118 h0.25 r270; PIN_NUMBER "1" at 123.008,140.018 h0.25 r270; ASSEMBLY_TOP "10K" at 122.932,139.568 h0.25 r270
R5129: PIN_NUMBER "2" at 127.869,138.194 h0.25 r180; PIN_NUMBER "1" at 128.769,138.194 h0.25 r180; ASSEMBLY_TOP "10K" at 128.116,138.067 h0.25 r180
R5130: PIN_NUMBER "2" at 128.769,139.164 h0.25; PIN_NUMBER "1" at 127.869,139.164 h0.25; ASSEMBLY_TOP "51K" at 128.116,139.037 h0.25 r180
R5131: PIN_NUMBER "1" at 136.947,142.821 h0.25 r270; PIN_NUMBER "2" at 136.947,141.92 h0.25 r270; ASSEMBLY_TOP "10K" at 136.871,142.371 h0.25 r90
R5132: PIN_NUMBER "1" at 139.901,142.821 h0.25 r270; PIN_NUMBER "2" at 139.901,141.92 h0.25 r270; ASSEMBLY_TOP "100K" at 139.723,142.371 h0.25 r90
R5133: PIN_NUMBER "2" at 140.885,142.821 h0.25 r90; PIN_NUMBER "1" at 140.885,141.92 h0.25 r90; ASSEMBLY_TOP "150K" at 140.707,142.371 h0.25 r90
R5135: PIN_NUMBER "2" at 119.371,134.208 h0.25 r270; PIN_NUMBER "1" at 119.371,135.108 h0.25 r270; ASSEMBLY_TOP "470K" at 119.194,134.658 h0.25 r90
R5136: PIN_NUMBER "2" at 112.158,139.466 h0.25 r270; PIN_NUMBER "1" at 112.158,140.366 h0.25 r270; ASSEMBLY_TOP "10K" at 112.082,139.916 h0.25 r90
R5137: PIN_NUMBER "2" at 116.933,139.579 h0.25 r90; PIN_NUMBER "1" at 116.933,138.679 h0.25 r90; ASSEMBLY_TOP "1.2K" at 116.755,139.129 h0.25 r90
R5138: PIN_NUMBER "1" at 117.136,133.889 h0.25 r270; PIN_NUMBER "2" at 117.136,132.989 h0.25 r270; ASSEMBLY_TOP "0R" at 117.162,133.439 h0.25 r90
R5139: PIN_NUMBER "2" at 116.933,136.647 h0.25 r270; PIN_NUMBER "1" at 116.933,137.547 h0.25 r270; ASSEMBLY_TOP "10K" at 116.857,137.097 h0.25 r90
R5500: PIN_NUMBER "2" at 78.281,128.422 h0.25 r180; PIN_NUMBER "1" at 79.181,128.422 h0.25 r180; ASSEMBLY_TOP "0R" at 78.63,128.295 h0.25
R5501: PIN_NUMBER "2" at 78.281,129.388 h0.25 r180; PIN_NUMBER "1" at 79.181,129.388 h0.25 r180; ASSEMBLY_TOP "0R" at 78.63,129.261 h0.25
R5502: PIN_NUMBER "2" at 78.281,130.353 h0.25 r180; PIN_NUMBER "1" at 79.181,130.353 h0.25 r180; ASSEMBLY_TOP "0R" at 78.63,130.226 h0.25
R5503: PIN_NUMBER "1" at 79.181,131.318 h0.25 r180; PIN_NUMBER "2" at 78.281,131.318 h0.25 r180; ASSEMBLY_TOP "0R" at 78.63,131.191 h0.25
R5504: PIN_NUMBER "2" at 78.281,132.283 h0.25 r180; PIN_NUMBER "1" at 79.181,132.283 h0.25 r180; ASSEMBLY_TOP "100K" at 78.427,132.156 h0.25
R5506: PIN_NUMBER "2" at 78.281,127.457 h0.25 r180; PIN_NUMBER "1" at 79.181,127.457 h0.25 r180; ASSEMBLY_TOP "100K" at 78.427,127.33 h0.25
R5507: PIN_NUMBER "2" at 78.281,134.252 h0.25 r180; PIN_NUMBER "1" at 79.181,134.252 h0.25 r180; ASSEMBLY_TOP "4.7K" at 78.427,134.125 h0.25
R5508: PIN_NUMBER "2" at 78.281,126.492 h0.25 r180; PIN_NUMBER "1" at 79.181,126.492 h0.25 r180; ASSEMBLY_TOP "100K" at 78.427,126.365 h0.25
R5509: PIN_NUMBER "1" at 79.181,135.217 h0.25 r180; PIN_NUMBER "2" at 78.281,135.217 h0.25 r180; ASSEMBLY_TOP "4.7K" at 78.427,135.09 h0.25
R5510: PIN_NUMBER "2" at 78.281,125.527 h0.25 r180; PIN_NUMBER "1" at 79.181,125.527 h0.25 r180; ASSEMBLY_TOP "100K" at 78.427,125.4 h0.25
R5511: PIN_NUMBER "2" at 78.281,123.596 h0.25 r180; PIN_NUMBER "1" at 79.181,123.596 h0.25 r180; ASSEMBLY_TOP "10K" at 78.528,123.469 h0.25
R5512: PIN_NUMBER "2" at 81.532,139.129 h0.25 r180; PIN_NUMBER "1" at 82.433,139.129 h0.25 r180; ASSEMBLY_TOP "2.2R" at 81.678,139.002 h0.25
R5513: PIN_NUMBER "2" at 78.281,136.182 h0.25 r180; PIN_NUMBER "1" at 79.181,136.182 h0.25 r180; ASSEMBLY_TOP "10K" at 78.528,136.055 h0.25
R5514: PIN_NUMBER "2" at 78.18,137.808 h0.25 r180; PIN_NUMBER "1" at 79.08,137.808 h0.25 r180; ASSEMBLY_TOP "2.2R" at 78.325,137.681 h0.25
R5515: PIN_NUMBER "1" at 82.433,138.113 h0.25 r180; PIN_NUMBER "2" at 81.532,138.113 h0.25 r180; ASSEMBLY_TOP "2.2R" at 81.678,137.986 h0.25
R5516: PIN_NUMBER "2" at 78.18,138.824 h0.25 r180; PIN_NUMBER "1" at 79.08,138.824 h0.25 r180; ASSEMBLY_TOP "2.2R" at 78.325,138.697 h0.25
R5517: PIN_NUMBER "2" at 84.319,139.071 h0.25 r90; PIN_NUMBER "1" at 84.319,138.171 h0.25 r90; ASSEMBLY_TOP "2.2R" at 84.142,138.621 h0.25 r90
R5518: PIN_NUMBER "2" at 85.335,139.071 h0.25 r90; PIN_NUMBER "1" at 85.335,138.171 h0.25 r90; ASSEMBLY_TOP "2.2R" at 85.158,138.621 h0.25 r90
R5519: PIN_NUMBER "2" at 86.327,139.071 h0.25 r90; PIN_NUMBER "1" at 86.327,138.171 h0.25 r90; ASSEMBLY_TOP "2.2R" at 86.15,138.621 h0.25 r90
R5520: PIN_NUMBER "2" at 83.327,125.561 h0.64 r180; PIN_NUMBER "1" at 83.327,125.061 h0.64; ASSEMBLY_TOP "0R" at 83.505,125.311 h0.25 r90
R5521: PIN_NUMBER "2" at 84.039,125.561 h0.64 r180; PIN_NUMBER "1" at 84.039,125.061 h0.64; ASSEMBLY_TOP "0R" at 84.216,125.311 h0.25 r90
R5522: PIN_NUMBER "1" at 87.242,138.171 h0.25 r90; PIN_NUMBER "2" at 87.242,139.071 h0.25 r90; ASSEMBLY_TOP "2.2R" at 87.064,138.621 h0.25 r90
R5523: PIN_NUMBER "2" at 84.327,123.631 h0.64 r180; PIN_NUMBER "1" at 84.327,123.131 h0.64; ASSEMBLY_TOP "0R" at 84.505,123.381 h0.25 r90
R5524: PIN_NUMBER "2" at 85.039,123.631 h0.64 r180; PIN_NUMBER "1" at 85.039,123.131 h0.64; ASSEMBLY_TOP "0R" at 85.216,123.381 h0.25 r90
R5525: PIN_NUMBER "2" at 85.327,125.561 h0.64 r180; PIN_NUMBER "1" at 85.327,125.061 h0.64; ASSEMBLY_TOP "0R" at 85.505,125.311 h0.25 r90
R5526: PIN_NUMBER "2" at 86.039,125.561 h0.64 r180; PIN_NUMBER "1" at 86.039,125.061 h0.64; ASSEMBLY_TOP "0R" at 86.216,125.311 h0.25 r90
R5527: PIN_NUMBER "2" at 86.327,123.631 h0.64 r180; PIN_NUMBER "1" at 86.327,123.131 h0.64; ASSEMBLY_TOP "0R" at 86.505,123.381 h0.25 r90
R5528: PIN_NUMBER "2" at 88.543,140.145 h0.25 r180; PIN_NUMBER "1" at 89.443,140.145 h0.25 r180; ASSEMBLY_TOP "22R" at 88.79,140.018 h0.25
R5529: PIN_NUMBER "2" at 87.039,123.631 h0.64 r180; PIN_NUMBER "1" at 87.039,123.131 h0.64; ASSEMBLY_TOP "0R" at 87.216,123.381 h0.25 r90
R5530: PIN_NUMBER "2" at 87.327,125.561 h0.64 r180; PIN_NUMBER "1" at 87.327,125.061 h0.64; ASSEMBLY_TOP "0R" at 87.505,125.311 h0.25 r90
R5531: PIN_NUMBER "2" at 88.485,139.071 h0.25 r90; PIN_NUMBER "1" at 88.485,138.171 h0.25 r90; ASSEMBLY_TOP "5.6K" at 88.307,138.621 h0.25 r90
R5532: PIN_NUMBER "2" at 88.039,125.561 h0.64 r180; PIN_NUMBER "1" at 88.039,125.061 h0.64; ASSEMBLY_TOP "0R" at 88.216,125.311 h0.25 r90
R5533: PIN_NUMBER "2" at 89.501,138.171 h0.25 r270; PIN_NUMBER "1" at 89.501,139.071 h0.25 r270; ASSEMBLY_TOP "47K" at 89.425,138.621 h0.25 r90
R5534: PIN_NUMBER "2" at 92.186,127.14 h0.25; PIN_NUMBER "1" at 91.286,127.14 h0.25; ASSEMBLY_TOP "100K" at 91.431,127.013 h0.25
R5535: PIN_NUMBER "2" at 92.186,128.156 h0.25; PIN_NUMBER "1" at 91.286,128.156 h0.25; ASSEMBLY_TOP "100K" at 91.431,128.029 h0.25
R5536: PIN_NUMBER "2" at 92.186,129.172 h0.25; PIN_NUMBER "1" at 91.286,129.172 h0.25; ASSEMBLY_TOP "100K" at 91.431,129.045 h0.25
R5537: PIN_NUMBER "2" at 92.186,130.188 h0.25; PIN_NUMBER "1" at 91.286,130.188 h0.25; ASSEMBLY_TOP "100K" at 91.431,130.061 h0.25
R5538: PIN_NUMBER "2" at 92.186,133.947 h0.25; PIN_NUMBER "1" at 91.286,133.947 h0.25; ASSEMBLY_TOP "33R" at 91.533,133.82 h0.25
R5539: PIN_NUMBER "2" at 92.186,131.204 h0.25; PIN_NUMBER "1" at 91.286,131.204 h0.25; ASSEMBLY_TOP "100K" at 91.431,131.077 h0.25
R5540: PIN_NUMBER "1" at 88.63,142.38 h0.25 r180; PIN_NUMBER "2" at 87.73,142.38 h0.25 r180; ASSEMBLY_TOP "0R" at 88.079,142.253 h0.25 r180
R5541: PIN_NUMBER "2" at 92.186,132.22 h0.25; PIN_NUMBER "1" at 91.286,132.22 h0.25; ASSEMBLY_TOP "100K" at 91.431,132.093 h0.25
R5542: PIN_NUMBER "2" at 91.751,136.386 h0.25; PIN_NUMBER "1" at 90.851,136.386 h0.25; ASSEMBLY_TOP "10K" at 91.098,136.259 h0.25
R5543: PIN_NUMBER "2" at 92.346,140.812 h0.25 r270; PIN_NUMBER "1" at 92.346,141.712 h0.25 r270; ASSEMBLY_TOP "1.8K" at 92.168,141.262 h0.25 r90
R5544: PIN_NUMBER "2" at 92.041,139.071 h0.25 r90; PIN_NUMBER "1" at 92.041,138.171 h0.25 r90; ASSEMBLY_TOP "22R" at 91.965,138.621 h0.25 r90
R5545: PIN_NUMBER "1" at 94.029,129.375 h0.25; PIN_NUMBER "2" at 94.929,129.375 h0.25; ASSEMBLY_TOP "100K" at 94.175,129.248 h0.25 r180
R5546: PIN_NUMBER "2" at 96.003,128.417 h0.25 r270; PIN_NUMBER "1" at 96.003,129.317 h0.25 r270; ASSEMBLY_TOP "10K" at 95.927,128.867 h0.25 r270
R5547: PIN_NUMBER "2" at 94.218,136.284 h0.25; PIN_NUMBER "1" at 93.318,136.284 h0.25; ASSEMBLY_TOP "10K" at 93.565,136.157 h0.25
R5548: PIN_NUMBER "1" at 93.362,141.712 h0.25 r270; PIN_NUMBER "2" at 93.362,140.812 h0.25 r270; ASSEMBLY_TOP "1.8K" at 93.184,141.262 h0.25 r90
R5549: PIN_NUMBER "1" at 93.565,122.321 h0.25 r90; PIN_NUMBER "2" at 93.565,123.221 h0.25 r90; ASSEMBLY_TOP "10K" at 93.489,122.771 h0.25 r270
R5550: PIN_NUMBER "1" at 94.581,138.171 h0.25 r90; PIN_NUMBER "2" at 94.581,139.071 h0.25 r90; ASSEMBLY_TOP "22R" at 94.505,138.621 h0.25 r90
R5551: PIN_NUMBER "2" at 95.597,122.321 h0.25 r270; PIN_NUMBER "1" at 95.597,123.221 h0.25 r270; ASSEMBLY_TOP "51K" at 95.521,122.771 h0.25 r270
R5552: PIN_NUMBER "1" at 74.769,118.751 h0.25 r270; PIN_NUMBER "2" at 74.769,117.851 h0.25 r270; ASSEMBLY_TOP "10K" at 74.693,118.301 h0.25 r90
R5553: PIN_NUMBER "2" at 78.02,117.851 h0.25 r270; PIN_NUMBER "1" at 78.02,118.751 h0.25 r270; ASSEMBLY_TOP "100K" at 77.842,118.301 h0.25 r90
R5554: PIN_NUMBER "2" at 78.877,116.878 h0.25; PIN_NUMBER "1" at 77.976,116.878 h0.25; ASSEMBLY_TOP "100K" at 78.122,116.751 h0.25
R5556: PIN_NUMBER "2" at 78.281,124.562 h0.25 r180; PIN_NUMBER "1" at 79.181,124.562 h0.25 r180; ASSEMBLY_TOP "10K" at 78.528,124.435 h0.25
R6700: PIN_NUMBER "1" at 39.742,115.509 h0.25 r90; PIN_NUMBER "2" at 39.742,116.409 h0.25 r90; ASSEMBLY_TOP "0R" at 39.768,115.959 h0.25 r90
R6701: PIN_NUMBER "1" at 40.657,115.509 h0.25 r90; PIN_NUMBER "2" at 40.657,116.409 h0.25 r90; ASSEMBLY_TOP "0R" at 40.682,115.959 h0.25 r90
R6702: PIN_NUMBER "2" at 38.057,107.072 h0.25 r90; PIN_NUMBER "1" at 38.057,106.172 h0.25 r90; ASSEMBLY_TOP "0R" at 38.083,106.622 h0.25 r270
R6703: PIN_NUMBER "2" at 43.552,116.409 h0.25 r90; PIN_NUMBER "1" at 43.552,115.509 h0.25 r90; ASSEMBLY_TOP "0R" at 43.578,115.959 h0.25 r90
R6704: PIN_NUMBER "2" at 44.467,116.409 h0.25 r90; PIN_NUMBER "1" at 44.467,115.509 h0.25 r90; ASSEMBLY_TOP "0R" at 44.492,115.959 h0.25 r90
R6705: PIN_NUMBER "2" at 47.362,116.409 h0.25 r90; PIN_NUMBER "1" at 47.362,115.509 h0.25 r90; ASSEMBLY_TOP "0R" at 47.388,115.959 h0.25 r90
R6706: PIN_NUMBER "1" at 48.277,115.509 h0.25 r90; PIN_NUMBER "2" at 48.277,116.409 h0.25 r90; ASSEMBLY_TOP "0R" at 48.302,115.959 h0.25 r90
R6707: PIN_NUMBER "1" at 51.172,115.509 h0.25 r90; PIN_NUMBER "2" at 51.172,116.409 h0.25 r90; ASSEMBLY_TOP "0R" at 51.198,115.959 h0.25 r90
R6708: PIN_NUMBER "1" at 52.087,115.509 h0.25 r90; PIN_NUMBER "2" at 52.087,116.409 h0.25 r90; ASSEMBLY_TOP "0R" at 52.112,115.959 h0.25 r90